# Altium PCB EVK-NORA-W40.PcbDoc (part 4 of 5) (continued)
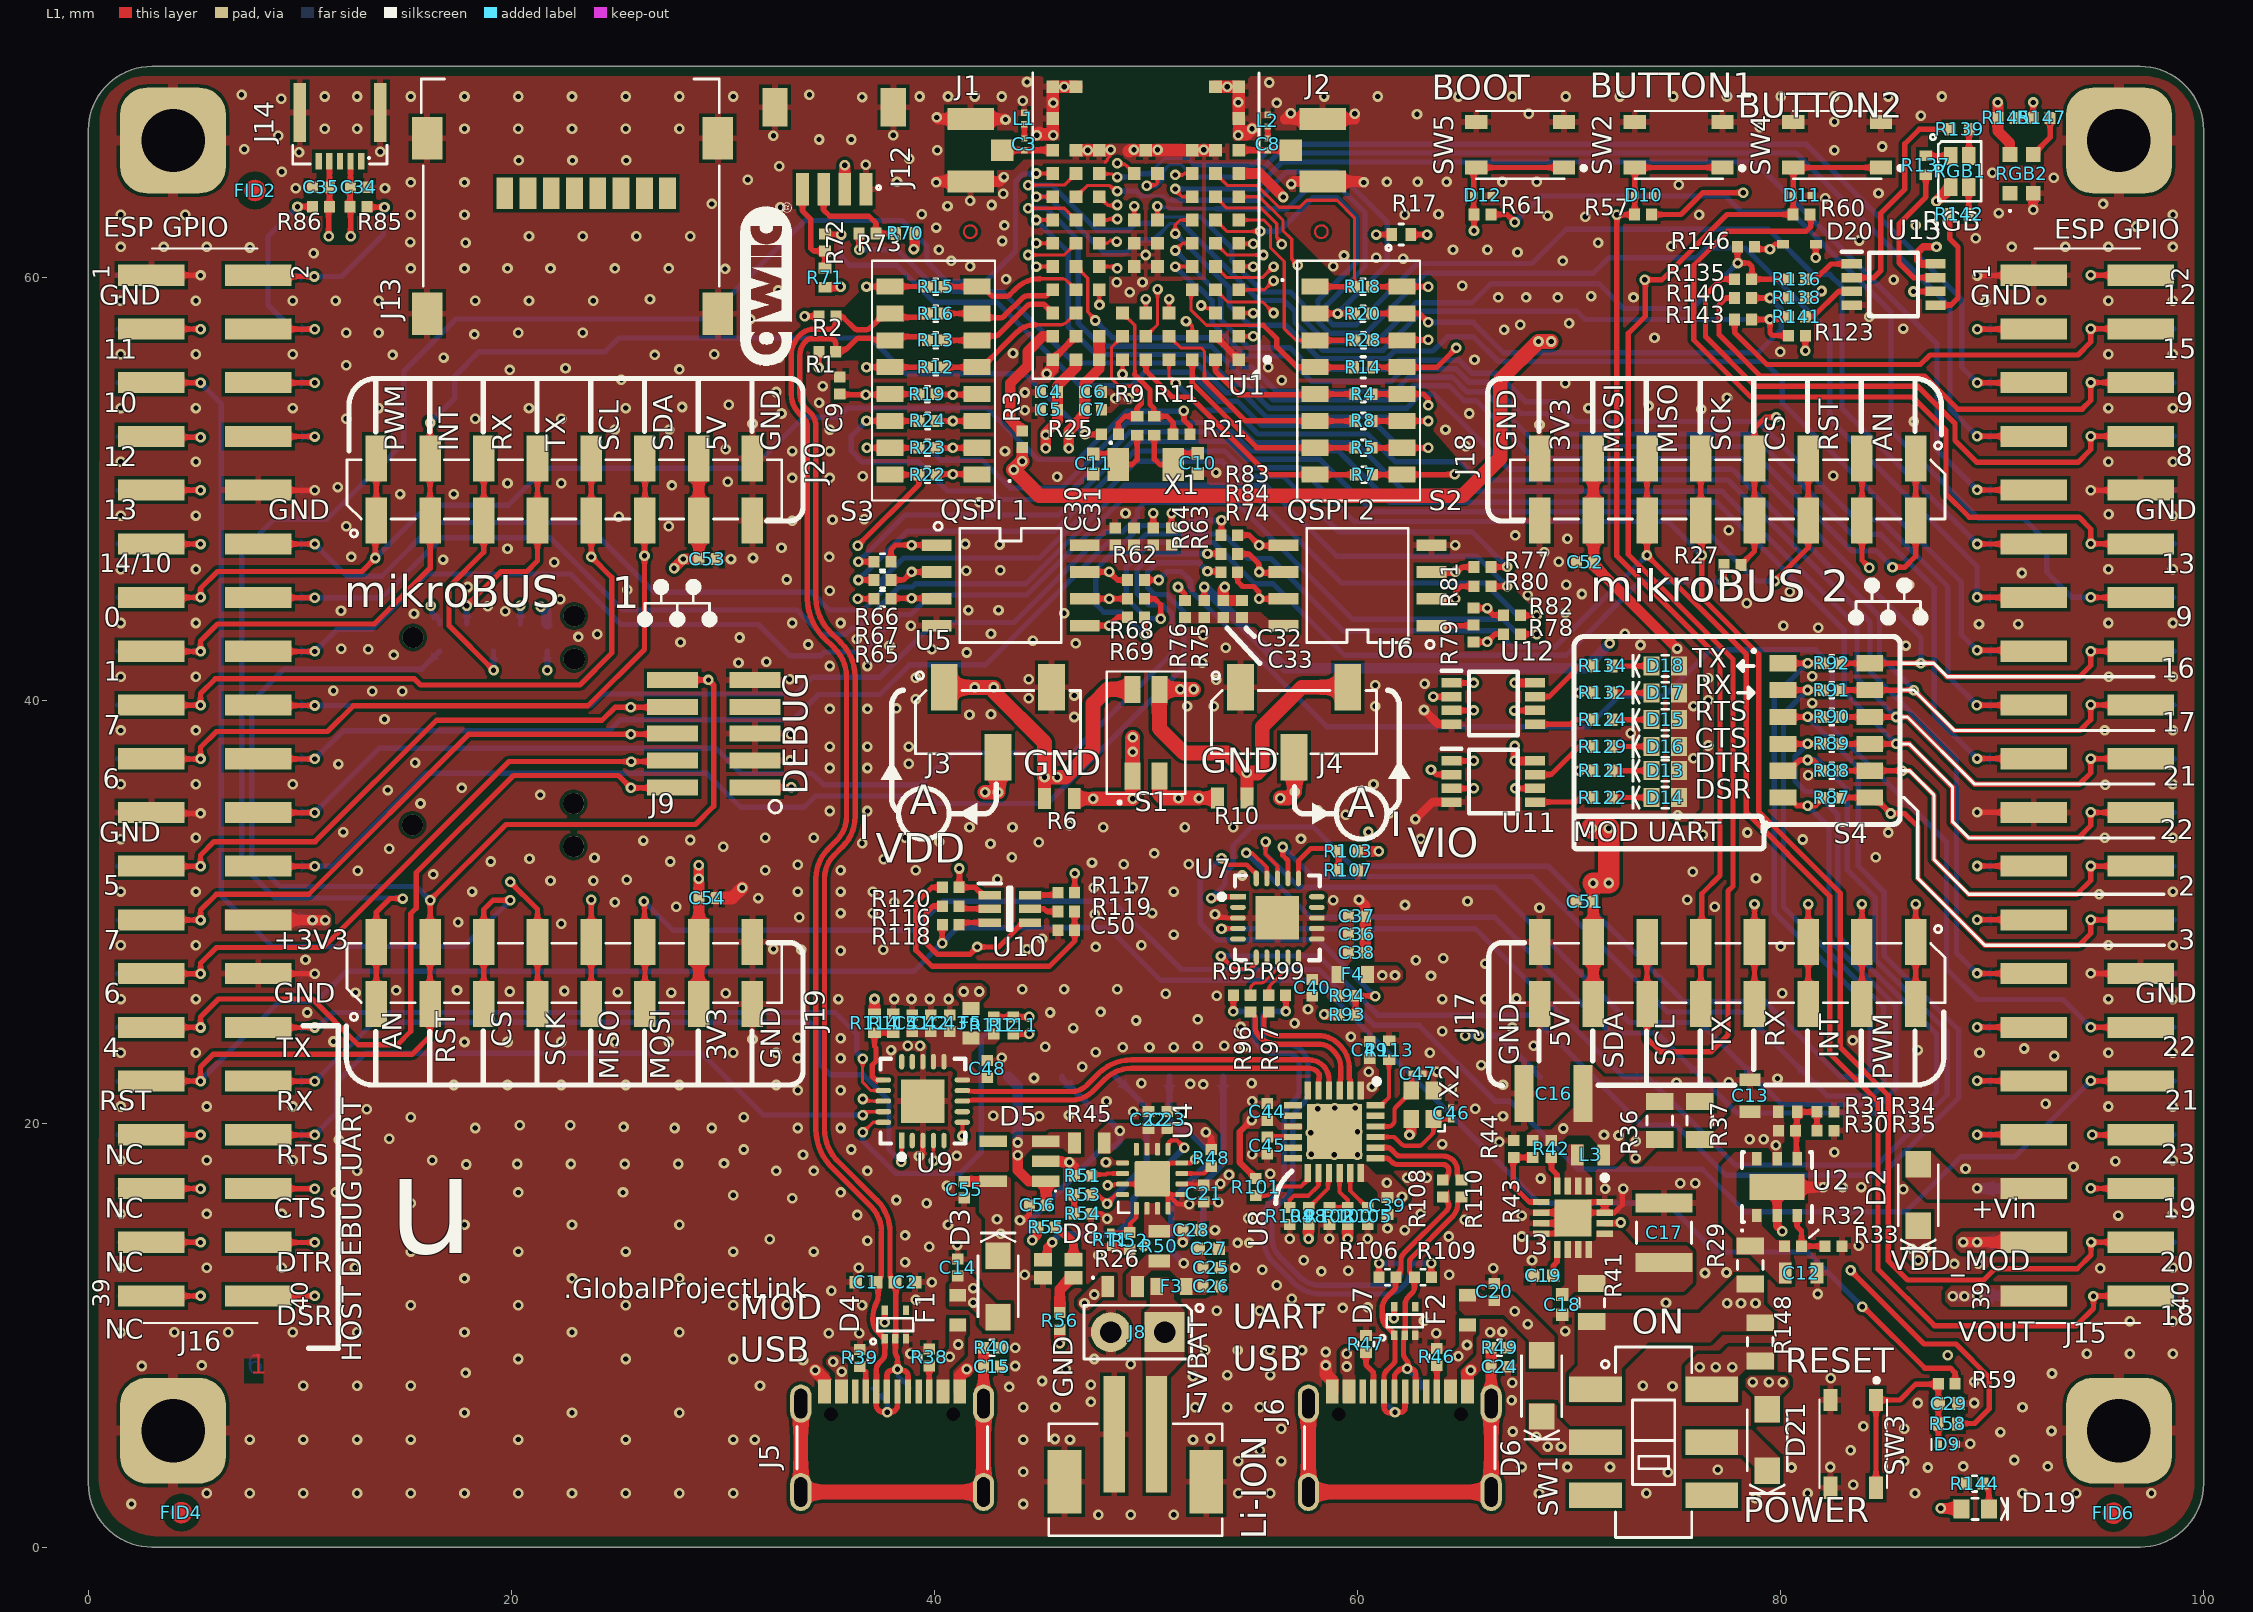
[diagram p0: L1 view]
## Nets (pads, with @x,y where several pads share a name; then routed paths per layer and width w, separated by ;. In a path a pad name is that pad's centre, name@x,y a point inside that pad or via, vN(x,y) a via of type N, cw(c..) or ccw(c..) an arc to the next point about the centre after c; other vN are vias at no path point) (continued)
  L6 w0.25: v1(89.292,24.578) 89.296,24.574 90.371,24.574 TP72.1@90.375,24.57
H8: R20.1 S2.2 U1.H8 | length 23.9
  L1 w0.15: U1.H8@46.69,63.84 47.215,64.365 48.289,64.365 48.544,64.11 v1(48.641,64.11)
  L1 w0.25: S2.2@57.998,58.323 58.003,58.318 R20.1@59.852,58.318
  L6 w0.15: 49.776,63.877 50.849,63.877 51.048,63.678 51.244,63.678
  L6 w0.25: v1(48.641,64.11) 49.544,64.11 49.776,63.877 ; 51.244,63.678 55.296,63.678 56.642,65.024 59.03,65.024 61.413,62.641 61.413,60.673 v1(59.058,58.318)
H8/IO9: J15.6 R140.2 TP50.1 | length 28.6
  L1 w0.25: R140.2@77.832,59.055 77.419,59.055 77.089,58.725 77.089,57.321 79.041,55.37 86.805,55.37 88.378,53.797 94.259,53.797 94.666,54.204 v1(94.666,55.058) 97.017,55.058 J15.6@97.025,55.05
  L6 w0.25: v1(94.666,55.058) 94.67,55.054 98.596,55.054 TP50.1@98.6,55.05
H8/IO9/LED_GREEN: R20.2 R138.2 R140.1 S2.15 | length 24.1
  L1 w0.25: R20.2@60.652,58.318 62.094,58.318 S2.15@62.098,58.323 62.927,58.323 v1(63.35,57.9) ; R140.1@78.632,59.055 78.71,58.977 78.787,59.055 v1(79.502,59.055) R138.2@80.372,59.055
  L6 w0.25: v1(63.35,57.9) 65.468,57.9 66.904,56.464 78.943,56.464 80.031,57.552 80.031,58.526 v1(79.502,59.055)
H9/IO15: J15.4 R143.2 TP47.1 | length 25.4
  L1 w0.25: R143.2@77.832,58.024 77.832,57.423 79.35,55.905 86.605,55.905 87.063,56.363 94.056,56.363 94.666,56.972 v1(94.666,57.598) ; v1@94.674,57.598 97.017,57.598 J15.4@97.025,57.59
  L6 w0.2: TP47.1@98.596,57.594 TP47.1@98.6,57.59
  L6 w0.25: v1(94.666,57.598) 94.67,57.594 TP47.1@98.596,57.594
H9/IO15/LED_BLUE: R123.2 R141.2 R143.1 U1.H9 | length 44.2
  L1 w0.15: v1(44.806,63.84) U1.H9@45.59,63.84
  L1 w0.25: R143.1@78.632,58.039 v1(79.502,58.039) ; R123.2@80.372,57.277 79.629,57.277 79.502,57.404 v1(79.502,58.039) ; R141.2@80.372,58.166 80.001,58.166 79.874,58.039 v1(79.502,58.039)
  L6 w0.15: 50.648,62.078 51.149,62.579 51.702,62.579 51.848,62.433
  L6 w0.25: v1(44.806,63.84) 45.36,63.84 48.007,61.193 49.047,61.193 49.665,61.811 50.381,61.811 50.648,62.078 ; 51.848,62.433 55.342,58.939 56.53,58.939 57.058,58.41 57.058,57.873 58.342,56.589 61.212,56.589 63.052,58.429 70.371,58.429 70.761,58.039 v1(79.502,58.039)
J2: R18.1 S2.1 U1.J2 | length 12.8
  L1 w0.15: U1.J2@53.29,64.94 53.865,64.365 55.269,64.365 56.286,63.348 57.277,63.348 57.607,63.678 59.03,63.678 59.852,62.856 R18.1@59.852,59.588
  L1 w0.25: S2.1@57.998,59.593 58.003,59.588 R18.1@59.852,59.588
J2/IO6/JT_TCK/SWD_CLK: J9.4 J11.4 J16.27 R18.2 S2.16 TP111.1 | length 104.3
  L1 w0.25: J16.27@2.983,27.102 v1(5.3,27.102) 5.3,27.601 6.045,28.346 11.1,28.346 19.889,37.136 v1(25.659,37.136) ; v1@25.683,37.136 27.569,37.136 J9.4@27.618,37.186 ; R18.2@60.652,59.588 62.094,59.588 S2.16@62.098,59.593 62.103,59.588 v1(63.35,59.588)
  L3 w0.15: v1(20.422,44.501) 20.422,41.903 25.189,37.136 v1(25.659,37.136)
  L4 w0.15: v1(25.659,37.136) 24.994,36.471 24.994,35.636 25.908,34.722 32.944,34.722 34.544,36.322 43.409,36.322 43.815,35.915 46.008,35.915 46.542,36.449 51.798,36.449 60.503,45.154 60.503,56.741 v1(63.35,59.588)
  L6 w0.25: TP111.1@1.375,27.11 1.379,27.106 5.296,27.106 v1(5.3,27.102) ; v1(20.422,44.501) 20.423,44.499 J11.4@20.424,43.637 J11.4@20.424,43.637
J3: R17.1 U1.J3 | length 12.9
  L1 w0.15: v1(51.384,64.872) 51.74,64.872 51.808,64.94 U1.J3@52.19,64.94
  L1 w0.25: v1(60.884,62.052) R17.1@61.62,62.052
  L3 w0.15: v1(51.384,64.872) 56.439,64.872 56.642,65.075 58.649,65.075 60.884,62.84 v1(60.884,62.052)
J3/RESETn: J9.10 J11.10 J16.31 J18.2 J19.2 R17.2 R59.1 R118.2 TP115.1 | length 278.3
  L1 w0.25: J16.31@2.975,22.03 v1@5.131,22.03 ; v1(5.3,22.022) 5.3,22.699 5.893,23.292 15.291,23.292 16.15,24.151 J19.2@16.15,25.675 J19.2@16.15,28.605 16.154,28.609 v1(16.154,30.582) 19.736,34.163 28.702,34.163 29.566,35.027 29.566,40.742 v1(29.312,40.996) J9.10@27.618,40.996 ; v1(40.363,28.55) 40.363,29.407 R118.2@40.37,29.413 ; R17.2@62.52,62.052 v1(63.29,62.052) ; J18.2@83.85,51.465 83.85,46.655 v1(84.201,46.304) ; v1(83.871,11.354) 83.922,11.354 86.817,8.458 88.036,8.458 88.259,8.236 R59.1@88.259,7.722
  L4 w0.15: v1(40.363,28.55) 40.363,31.945 43.071,34.653 54.389,34.653 57.412,37.676 57.412,40.013 61.352,43.953 61.352,54.105 64.03,56.782 64.03,59.586 63.29,60.327 v1(63.29,62.052) ; v1(83.871,11.354) 84.607,12.09 84.607,14.326 86.03,15.748 94.59,15.748 95.336,16.494 95.336,17.424 90.002,22.758 89.281,22.758 87.408,24.632 87.408,45.536 85.954,46.99 84.887,46.99 v1(84.201,46.304)
  L6 w0.25: TP115.1@1.4,22.03 1.404,22.026 5.296,22.026 v1(5.3,22.022) 5.3,22.064 9.042,25.806 10.795,25.806 12.217,27.229 39.043,27.229 v1(40.363,28.55) 41.096,29.282 48.202,29.282 50.687,26.797 58.039,26.797 68.58,16.256 74.625,16.256 76.938,13.943 81.281,13.943 v1(83.871,11.354) ; v1(16.154,30.582) 15.511,31.225 9.059,31.225 7.725,32.559 7.725,39.983 9.246,41.504 15.751,41.504 J11.10@16.614,42.367
J4/RMII_TXD1: J15.7 TP51.1 U1.J4 | length 53.8
  L1 w0.15: v1(50.038,64.364) 50.071,64.397 50.452,64.397 50.54,64.485 U1.J4@50.54,64.94
  L1 w0.25: v1(89.292,52.518) 91.967,52.518 J15.7@91.975,52.51
  L6 w0.15: 50.781,65.03 51.11,65.359 51.659,65.359 52.243,64.775
  L6 w0.25: v1(50.038,64.364) 50.47,64.364 50.781,64.674 50.781,65.03 ; 52.243,64.775 55.123,64.775 56.261,65.913 80.733,65.913 88.011,58.635 88.011,53.799 89.296,52.514 90.396,52.514 TP51.1@90.4,52.51
J5/RMII_TXD0: J15.3 TP46.1 U1.J5 | length 50.5
  L1 w0.15: v1(48.641,65.43) 48.694,65.377 49.003,65.377 U1.J5@49.44,64.94
  L1 w0.25: v1(89.306,57.582) J15.3@91.963,57.582
  L4 w0.15: v1(48.641,65.43) 54.13,65.43 55.908,67.208 77.699,67.208 81.839,63.068 84.506,63.068 89.306,58.268 v1(89.306,57.582)
  L6 w0.25: v1(89.306,57.582) 89.315,57.59 TP46.1@90.4,57.59
J7/RMII_CRS: J15.5 TP49.1 U1.J7 | length 52.8
  L1 w0.15: U1.J7@47.79,64.94 47.808,64.922 48.392,64.922 48.544,64.77 v1(48.641,64.77)
  L1 w0.25: v1(89.306,55.042) J15.5@91.968,55.042
  L6 w0.15: 50.143,64.922 50.879,65.659 51.943,65.659 52.252,65.35
  L6 w0.25: v1(48.641,64.77) 49.225,64.77 49.378,64.922 50.143,64.922 ; 52.252,65.35 55.114,65.35 56.083,66.319 81.229,66.319 88.57,58.979 88.57,55.778 v1(89.306,55.042) 89.31,55.046 90.396,55.046 TP49.1@90.4,55.05
J8/IO8: J15.8 R135.2 TP52.1 | length 32
  L1 w0.25: R135.2@77.832,59.944 77.197,59.944 76.454,59.201 76.454,57.226 78.805,54.875 86.5,54.875 88.25,53.125 88.25,52.314 89.281,51.283 94.056,51.283 94.666,51.892 v1(94.666,52.518) ; v1@94.742,52.561 94.785,52.518 97.017,52.518 J15.8@97.025,52.51
  L6 w0.15: TP52.1@98.621,52.514 TP52.1@98.625,52.51
  L6 w0.25: v1(94.666,52.518) 94.67,52.514 TP52.1@98.621,52.514
J8/IO8/LED_RED: R135.1 R136.2 R146.2 U1.J8 | length 46.6
  L1 w0.15: v1(44.425,64.389) 46.139,64.389 U1.J8@46.69,64.94
  L1 w0.25: R146.2@77.959,61.468 77.969,61.459 77.969,60.715 v1(77.978,60.706) 78.486,60.706 78.652,60.54 R135.1@78.652,60.051 ; R135.1@78.632,59.944 R136.2@80.372,59.944
  L6 w0.15: 50.317,62.586 50.611,62.879 52.589,62.879
  L6 w0.25: v1(44.425,64.389) 45.542,64.389 47.671,62.26 49.204,62.26 49.53,62.586 50.317,62.586 ; 52.589,62.879 54.056,61.412 54.056,60.806 55.523,59.339 56.841,59.339 57.458,58.721 57.458,58.038 58.507,56.989 60.926,56.989 62.766,58.829 65.408,58.829 66.303,59.725 71.416,59.725 72.585,58.555 75.827,58.555 v1(77.978,60.706)
J9/IO3/WAKE_UP: J15.26 J19.1 R87.2 S4.7 TP70.1 U1.J9 | length 180.6
  L1 w0.15: v1@44.813,64.94 U1.J9@45.59,64.94
  L1 w0.25: J19.1@13.61,25.675 J19.1@13.61,28.605 13.61,30.018 14.249,30.658 v1(14.862,30.658) ; R87.2@82.823,35.433 S4.7@84.219,35.433 84.455,35.433 v1(85.209,34.679) 85.869,34.679 86.487,34.061 86.487,31.623 89.662,28.448 94.107,28.448 94.666,29.007 v1(94.666,29.658) 94.674,29.65 J15.26@97.025,29.65
  L4 w0.15: v1(14.862,30.658) 18.646,26.873 51.587,26.873 53.162,28.448 65.462,28.448 69.552,32.537 78.664,32.537 79.422,31.779 82.308,31.779 v1(85.209,34.679)
  L6 w0.25: v1(14.862,30.658) 14.836,30.683 8.817,30.683 7.25,32.25 7.25,47.077 8.763,48.59 11.272,48.59 14.91,52.228 14.91,55.601 17.374,58.064 29.235,58.064 33.884,62.713 38.456,62.713 39.649,61.519 39.649,60.782 40.615,59.817 42.393,59.817 43.832,61.256 43.832,64.558 44.192,64.918 44.784,64.918 v1(44.806,64.94) ; v1(94.666,29.658) 94.67,29.654 98.621,29.654 TP70.1@98.625,29.65
LED_BLUE: R141.1 U13.3 | length 2.7
  L1 w0.25: R141.1@81.172,58.166 81.534,58.166 82.733,59.365 U13.3@83.369,59.365
LED_GREEN: R138.1 U13.6 | length 6.3
  L1 w0.25: R138.1@81.172,59.055 81.636,59.055 81.94,59.36 v1(81.94,59.385) ; v1(86.284,59.36) 87.314,59.36 U13.6@87.319,59.365
  L4 w0.15: v1(81.94,59.385) 86.258,59.385 v1(86.284,59.36)
LED_RED: R136.1 U13.1 | length 2.5
  L1 w0.25: R136.1@81.172,59.944 81.661,59.944 82.382,60.665 U13.1@83.369,60.665
NetC3_1: C3.1 J1.1 U1.K9 | length 2.4
  L1 w0.3: J1.1@43.208,66.04 43.213,66.044 45.586,66.044 U1.K9@45.59,66.04
NetC3_2: C3.2 L1.1 | length 0.7
  L1 w0.15: L1.1@44.247,67.264 L1.1@44.248,67.262 ; C3.2@44.248,66.596 C3.2@44.25,66.594
  L1 w0.25: C3.2@44.248,66.596 L1.1@44.248,67.262
NetC8_1: C8.1 J2.1 U1.K1 | length 2.5
  L1 w0.3: U1.K1@54.39,66.04 54.394,66.044 56.842,66.044 J2.1@56.847,66.04
NetC8_2: C8.2 L2.1 | length 0.6
  L1 w0.25: C8.2@55.756,66.594 L2.1@55.756,67.162
NetC10_1: C10.1 R11.2 X1.2 | length 3.6
  L1 w0.25: R11.2@50.394,52.56 50.394,51.435 50.648,51.181 X1.2@51.285,51.181 51.285,51.362 51.631,51.707 C10.1@52.454,51.707
NetC11_1: C11.1 R9.2 X1.1 | length 3.7
  L1 w0.25: C11.1@47.501,51.681 48.395,51.681 48.685,51.391 X1.1@48.685,51.181 49.352,51.181 49.581,51.41 R9.2@49.581,52.56
NetC12_1: C12.1 R29.2 R32.2 U2.1 U2.6
NetC17_1: C17.1 C18.1 R41.2 U3.10 U3.11 U3.12 U3.13
NetC19_2: C19.2 U3.9 | length 1.3
  L1 w0.25: C19.2@69.261,12.827 69.261,13.305 69.438,13.482 U3.9@69.438,14.059
NetC28_1: C28.1 R50.1 TP7.1 U4.2 U4.3 | length 9.2
  L1 w0.2: C28.1@51.744,14.991 C28.1@51.749,14.986
  L1 w0.5: v1(51.74,14.402) 51.744,14.406 C28.1@51.744,14.991
  L6 w0.3: v1(51.74,14.402) 52.705,15.367 52.705,17.17 53.649,18.114 TP7.1@53.649,22.231
NetC30_2: C30.2 C31.2 R63.2 R64.2 U5.8
NetC32_2: C32.2 C33.2 R75.2 R76.2 U6.8
NetC36_1: C36.1 C37.1 C38.1 C40.1 F4.2 R94.1 U7.10 U7.11 U7.12
NetC41_1: C41.1 C42.1 C43.1 C48.1 F5.2 R112.1 U9.10 U9.11 U9.12
NetC45_1: C45.1 U8.10 | length 1.2
  L1 w0.25: C45.1@55.743,19.379 56.947,19.379 U8.10@56.953,19.384
NetC46_1: C46.1 U8.21 X2.1 | length 4.6
  L1 w0.2: U8.21@60.853,19.384 61.661,19.384 cw(c61.661,19.184) 61.802,19.326 62.07,19.058 ccw(c62.21,19.2) 62.1,19.034 cw(c61.677,18.384) 62.132,19.011 ccw(c62.249,19.174) 62.247,18.974 62.908,18.974 ccw(c62.908,19.174) 63.049,19.032 63.538,19.521 ccw(c63.396,19.662) 63.596,19.662 X2.1@63.596,20.226 ; X2.1@63.593,20.229 63.6,20.223 C46.1@64.44,20.223
NetC47_1: C47.1 U8.22 X2.3 | length 3.6
  L1 w0.2: U8.22@60.853,19.884 61.483,19.884 ccw(c61.483,20.084) 61.624,19.943 61.689,20.008 ccw(c61.547,20.149) 61.747,20.149 61.747,20.651 cw(c61.947,20.651) 61.806,20.792 62.565,21.551 C47.1@62.565,22.377
NetC50_1: C50.1 R119.2 R120.1 | length 13.5
  L1 w0.25: R120.1@40.37,31.191 39.885,31.191 39.116,30.422 39.116,28.219 39.878,27.457 45.429,27.457 46.631,28.659 C50.1@46.631,29.159 R119.2@46.631,30.048
NetD4_5: D4.5 F1.1 J5.A4B9 J5.B4A9 | length 0.6
  L1 w0.25: v1(37.643,10.617) 37.647,10.621 37.647,11.187 D4.5@37.651,11.191
  other v1: 35.616,8.295 35.204,8.763 40.716,8.992 41.123,9.576
NetD7_5: D7.5 F2.1 J6.A4B9 J6.B4A9 | length 0.6
  L1 w0.25: v1(61.722,10.82) 61.726,10.824 61.726,11.364 D7.5@61.73,11.368
  other v1: 59.487,8.534 64.77,9.017 59.487,9.144 65.176,9.55
NetD8_1: D8.1 R56.1 | length 2
  L1 w0.5: R56.1@45.923,11.093 45.923,12.183 46.472,12.732 D8.1@46.572,12.732
NetD8_2: D8.2 R55.1 | length 2
  L1 w0.4: R55.1@45.688,15.113 45.748,15.058 cw(c45.593,14.478) 45.982,14.935 46.431,14.552 cw(c46.172,14.248) 46.454,14.531 46.572,14.413 D8.2@46.572,13.582
NetD13_1: D13.1 R121.2 | length 1.7
  L1 w0.25: R121.2@72.05,36.703 D13.1@73.722,36.703
NetD14_1: D14.1 R122.2 | length 1.7
  L1 w0.25: R122.2@72.05,35.433 D14.1@73.722,35.433
NetD15_1: D15.1 R124.2 | length 1.7
  L1 w0.25: R124.2@72.05,39.116 D15.1@73.722,39.116
NetD16_1: D16.1 R129.2 | length 1.7
  L1 w0.25: R129.2@72.05,37.846 D16.1@73.722,37.846
NetD17_1: D17.1 R132.2 | length 1.9
  L1 w0.25: R132.2@72.05,40.386 D17.1@73.9,40.386
NetD18_1: D18.1 R134.2 | length 1.9
  L1 w0.25: R134.2@72.05,41.656 D18.1@73.9,41.656
NetD19_1: D19.1 R144.2 | length 1.3
  L1 w0.25: R144.2@89.629,3 89.855,2.775 D19.1@89.855,1.803
NetD20_2: D20.2 R145.1 R147.2 | length 30.6
  L1 w0.25: v1(81.661,60.96) 81.667,60.966 81.667,61.589 D20.2@81.674,61.595 ; R145.1@91.078,67.564 R147.2@91.948,67.564 v1(91.948,68.301)
  L4 w0.15: v1(81.661,60.96) 81.382,60.681 81.382,58.953 83.947,56.388 91.897,56.388 95.275,59.766 95.275,61.011 91.948,64.338 v1(91.948,68.301)
NetD21_C: D21.C SW1.5
NetF3_2: F3.2 J7.2 J8.1
NetJ5_A5: J5.A5 R39.2 | length 1.3
  L1 w0.25: R39.2@36.474,8.541 36.489,8.541 36.75,8.28 J5.A5@36.75,7.355
NetJ5_B5: J5.B5 R38.2 | length 1.2
  L1 w0.25: J5.B5@39.751,7.355 R38.2@39.751,8.566
NetJ6_A5: J6.A5 R47.2 | length 2
  L1 w0.25: R47.2@60.401,9.195 60.401,8.607 60.75,8.258 J6.A5@60.75,7.355
NetJ6_B5: J6.B5 R46.2 | length 1.2
  L1 w0.25: J6.B5@63.75,7.355 63.752,7.357 63.752,8.59 R46.2@63.754,8.592
NetJ12_3: J12.3 R70.1 R73.1 | length 5.1
  L1 w0.25: J12.3@34.758,64.197 34.758,63.21 35.052,62.916 36.906,62.916 37.23,62.592 R73.1@37.23,62.103 R70.1@38.158,62.103
NetJ12_4: J12.4 R71.1 R72.1 | length 4.5
  L1 w0.25: J12.4@33.758,64.197 33.758,63.168 34.144,62.782 34.144,61.411 34.284,61.271 R72.1@34.823,61.271 R71.1@34.823,60.47
NetJ16_8: J16.8 TP92.1 | length 3.8
  L1 w0.25: J16.8@8.025,52.51 8.033,52.502 v1(10.7,52.502)
  L6 w0.25: TP92.1@9.625,52.51 9.629,52.506 10.696,52.506 v1(10.7,52.502)
NetJ16_33: J16.33 TP117.1 | length 6.1
  L1 w0.25: J16.33@2.975,19.49 v1@5.123,19.49
  L6 w0.25: TP117.1@1.4,19.49 1.404,19.486 5.296,19.486 v1(5.3,19.482)
NetJ16_35: J16.35 TP119.1 | length 6.1
  L1 w0.25: J16.35@2.975,16.95 v1@5.123,16.95
  L6 w0.15: TP119.1@1.4,16.95 1.404,16.946 5.296,16.946 v1(5.3,16.942)
NetJ16_37: J16.37 TP121.1 | length 6
  L1 w0.25: J16.37@2.975,14.41 v1@5.123,14.41
  L6 w0.15: TP121.1@1.404,14.406 5.296,14.406 v1(5.3,14.402)
NetJ16_39: J16.39 TP123.1 | length 6.2
  L1 w0.25: J16.39@2.975,11.87 v1(5.3,11.87)
  L6 w0.15: TP123.1@1.4,11.87 v1(5.3,11.87)
NetJ18_4: J18.4 R27.1 R123.1 | length 12.4
  L1 w0.25: R27.1@78.124,46.431 78.124,46.446 78.259,46.581 78.274,46.581 78.77,47.077 J18.4@78.77,48.535 J18.4@78.77,51.465 78.77,51.819 78.77,52.895 79.291,53.416 v1(79.807,53.416) ; R123.1@81.172,57.277 81.172,56.572 v1(81.178,56.566)
  L4 w0.15: v1(79.807,53.416) 81.178,54.788 v1(81.178,56.566)
NetR3_2: R3.2 U1.B9 | length 5.8
  L1 w0.5: R3.2@44.145,52.775 44.13,52.775 43.586,53.319 43.586,55.016 44.399,55.829 44.399,56.515 45.124,57.24 U1.B9@45.59,57.24
NetR30_1: R30.1 R31.1 R34.2 R35.2 U2.4 | length 4.1
  L1 w0.25: U2.4@80.785,18.358 80.75,18.393 80.75,19.612 80.696,19.666 80.772,19.742 80.772,20.553 R31.1@80.793,20.574 R34.2@81.721,20.574 R35.2@81.721,19.685
NetR32_1: R32.1 R33.2 U2.3 | length 2.6
  L1 w0.25: U2.3@80.785,15.678 80.785,15.161 80.997,14.949 R32.1@80.997,14.224 R33.2@82.102,14.224
NetR42_1: R42.1 U3.4 | length 1.5
  L1 w0.25: R42.1@69.167,18.421 69.167,17.879 69.438,17.608 U3.4@69.438,17.059
NetR43_1: R43.1 R44.2 U3.5 | length 3.9
  L1 w0.25: R43.1@68.278,18.421 R44.2@67.389,18.421 67.361,18.393 67.361,17.069 68.121,16.309 U3.5@68.688,16.309
NetR48_1: R48.1 U4.7 | length 1.5
  L1 w0.2: U4.7@51.693,17.66 52.742,17.66 53.071,17.99 R48.1@53.086,17.99
NetR51_2: R51.2 U4.14 | length 1.5
  L1 w0.2: R51.2@47.415,17.551 47.477,17.613 48.106,17.613 48.153,17.66 U4.14@48.893,17.66
NetR52_2: R52.2 RT1.1 U4.1 | length 2.2
  L1 w0.2: RT1.1@48.339,14.824 48.339,14.826 48.364,14.851 49.201,14.851 R52.2@49.228,14.878 49.255,14.905 49.255,15.295 49.543,15.583 U4.1@49.543,16.01
NetR53_1: R53.1 R54.2 | length 0.9
  L1 w0.25: R54.2@46.606,15.754 R53.1@46.605,16.658
NetR53_2: R53.2 TP9.1 U4.16 | length 9.2
  L1 w0.2: R53.2@47.405,16.658 47.408,16.66 47.729,16.66 v1(48.158,16.231) 48.589,16.661 U4.16@48.89,16.661
  L6 w0.3: v1(48.158,16.231) 50.038,18.11 50.038,20.762 TP9.1@48.569,22.231
NetR93_2: R93.2 R94.2 U7.20 | length 17.2
  L1 w0.2: v1(53.571,32.563) 53.876,32.258 54.762,32.258 55.213,31.807 U7.20@55.213,31.609
  L1 w0.25: R93.2@59.915,25.171 R94.2@59.915,26.06 60.808,26.06 v1(60.833,26.035)
  L6 w0.25: v1(53.571,32.563) 52.56,31.551 52.56,29.496 53.349,28.706 58.162,28.706 v1(60.833,26.035)
NetR95_2: R95.2 R96.2 U7.8 | length 2.5
  L1 w0.15: R96.2@54.939,26.092 54.939,26.395 cw(c55.17,26.395) 55.006,26.558 55.062,26.614 ; 55.063,26.615 cw(c55.197,26.48) 55.197,26.67 55.424,26.67 ccw(c55.424,26.974) 55.638,26.759 ; 55.639,26.759 56.138,27.258 ccw(c55.957,27.439) 56.213,27.439 U7.8@56.213,27.878
NetR97_2: R97.2 R99.2 U7.9 | length 2.1
  L1 w0.15: R97.2@55.803,26.092 55.803,26.328 cw(c56.197,26.328) 55.918,26.606 ; 55.918,26.607 56.629,27.318 ccw(c56.427,27.52) 56.713,27.52 U7.9@56.713,27.878
NetR98_1: R98.1 U8.15 | length 2
  L1 w0.2: R98.1@57.686,16.046 57.701,16.046 58.609,16.954 58.609,17.641 U8.15@58.653,17.684
NetR100_1: R100.1 R102.2 U8.16 | length 2.7
  L1 w0.2: R102.2@58.707,16.079 R102.2@58.674,16.046 R100.1@59.538,16.046 59.538,16.408 59.153,16.793 U8.16@59.153,17.684
NetR101_1: R101.1 U8.13 | length 3.1
  L1 w0.2: R101.1@55.197,16.618 55.759,16.618 56.185,17.043 57.328,17.043 57.653,17.368 U8.13@57.653,17.684
NetR103_1: R103.1 R107.1 U7.16 | length 3.9
  L1 w0.25: U7.16@57.213,31.609 57.213,32.448 57.787,33.022 58.488,33.022 58.988,33.022 59.113,32.897 R107.1@59.113,32.004
NetR104_1: R104.1 U8.14 | length 2.6
  L1 w0.2: R104.1@56.797,16.046 56.797,16.411 56.998,16.612 57.683,16.612 58.153,17.081 U8.14@58.153,17.684
NetR105_2: R105.2 U8.17 | length 2
  L1 w0.2: U8.17@59.653,17.684 59.653,16.856 60.462,16.046 R105.2@60.477,16.046
NetR108_1: R108.1 U8.19 | length 4.3
  L1 w0.25: U8.19@60.853,18.384 61.338,18.384 cw(c61.338,18.134) 61.514,18.311 61.621,18.204 ccw(c61.906,18.485) 61.908,18.085 64.04,18.085 cw(c64.04,17.807) 64.318,17.807 64.318,17.747 cw(c64.053,17.747) 64.24,17.561 R108.1@64.027,17.347
NetR110_1: R110.1 U8.20 | length 4.9
  L1 w0.25: U8.20@60.853,18.884 61.403,18.884 cw(c61.403,18.634) 61.58,18.811 61.831,18.56 cw(c61.655,18.383) 61.833,18.558 ; 61.833,18.558 ccw(c62.01,18.735) 62.01,18.485 64.04,18.485 cw(c64.04,17.807) 64.647,18.107 cw(c64.04,17.807) 64.718,17.807 64.718,17.747 cw(c64.053,17.747) 64.714,17.68 ccw(c64.963,17.654) R110.1@64.735,17.551 ; R110.1@64.735,17.551 64.766,17.482 R110.1@64.916,17.347
NetR111_2: R111.2 R112.2 U9.20 | length 18
  L1 w0.15: v1@36.63,19.609 37.103,20.082 U9.20@37.584,20.082
  L1 w0.25: R112.2@42.802,25.063 R111.2@43.716,25.063 43.719,25.067 44.472,25.067 v1(44.475,25.07)
  L6 w0.25: v1(36.604,19.609) 36.604,19.223 38.17,17.658 41.204,17.658 42.215,18.669 42.215,24.054 43.231,25.07 v1(44.475,25.07)
NetR113_2: R113.2 U8.24 | length 2.6
  L1 w0.2: U8.24@60.853,20.884 61.118,20.884 61.493,21.26 61.493,23.042 R113.2@61.496,23.045
NetR114_1: R114.1 R115.1 U9.16 | length 3.7
  L1 w0.24: U9.16@37.584,22.082 37.227,22.082 37.059,22.25 37.059,22.795 37.236,22.973 37.236,23.597 37.163,23.67 R114.1@37.163,24.315 R115.1@38.052,24.315
NetR116_2: R116.2 U10.2 | length 1.5
  L1 w0.25: R116.2@41.17,30.302 41.297,30.175 U10.2@42.614,30.175
NetR117_2: R117.2 U10.6 | length 1.4
  L1 w0.25: U10.6@44.514,30.825 45.719,30.825 R117.2@45.831,30.937
NetR118_1: R118.1 U10.3 | length 1.5
  L1 w0.25: R118.1@41.17,29.413 41.282,29.525 U10.3@42.614,29.525
NetR119_1: R119.1 U10.5 | length 1.4
  L1 w0.25: U10.5@44.514,30.175 45.179,30.175 45.264,30.09 45.306,30.048 R119.1@45.831,30.048
NetR137_2: R137.2 RGB1.1 | length 1.2
  L1 w0.25: R137.2@86.871,65.779 88.035,65.779 RGB1.1@88.053,65.761
NetR139_2: R139.2 RGB1.2 | length 1.3
  L1 w0.25: RGB1.2@88.903,65.761 88.912,65.77 88.912,67.021 R139.2@88.921,67.031
NetR142_2: R142.2 RGB1.3 | length 1.3
  L1 w0.25: R142.2@88.896,63.017 88.899,63.021 88.899,64.307 RGB1.3@88.903,64.311
NetR147_1: R147.1 RGB2.3 | length 2.1
  L1 w0.25: RGB2.3@91.948,65.838 92.748,66.638 R147.1@92.748,67.564
RED: R137.1 U13.7 | length 6.7
  L1 w0.25: R137.1@86.871,64.879 86.871,63.833 85.598,62.56 85.598,60.706 86.289,60.015 U13.7@87.319,60.015
RESETn-F: C29.1 D9.1 R58.1 R59.2 SW3.1 SW3.2 | length 10.3
  L1 w0.25: SW3.2@84.514,2.802 SW3.1@84.514,6.952 85.647,6.952 86.391,7.696 87.433,7.696 R59.2@87.459,7.722 C29.1@87.459,6.775 ; C29.1@87.459,6.774 R58.1@87.459,5.817 87.464,5.812 D9.1@87.464,4.851
RGB2: D20.1 J16.6 R146.1 TP90.1 | length 100.3
  L1 w0.25: J16.6@8.025,55.05 8.033,55.042 v1(10.7,55.042) ; R146.1@78.759,61.468 78.869,61.358 v1(79.502,61.358) 79.739,61.595 D20.1@80.124,61.595
  L4 w0.15: v1(10.7,55.042) 10.09,55.651 7.087,55.651 5.715,57.023 4.42,57.023 4.064,57.379 4.064,59.131 4.445,59.512 7.518,59.512 11.049,63.043 12.725,63.043 13.411,62.357 18.161,62.357 18.567,62.763 38.558,62.763 39.733,61.588 39.733,60.825 41.326,59.233 46.177,59.233 47.879,60.935 49.149,60.935 49.472,60.612 50.589,60.612 51.181,60.02 51.689,60.02 52.375,60.706 52.375,61.978 56.346,65.949 71.82,65.949 76.412,61.358 v1(79.502,61.358)
  L6 w0.25: TP90.1@9.6,55.05 9.604,55.046 10.696,55.046 v1(10.7,55.042)
RTS: R124.1 U12.5 | length 2.8
  L1 w0.25: U12.5@68.396,38.903 70.094,38.903 70.307,39.116 R124.1@71.15,39.116
RXD: R132.1 U12.2 | length 8.5
  L1 w0.25: v1(63.576,40.208) 63.581,40.203 U12.2@64.446,40.203 ; v1(70.485,40.386) R132.1@71.15,40.386
  L4 w0.15: v1(63.576,40.208) 68.097,40.208 68.275,40.386 v1(70.485,40.386)
SHLDC: C24.2 J6.SHLD R49.1 | length 19.6
  L1 w0.5: R49.1@66.316,9.415 C24.2@66.316,8.526 66.318,8.525 J6.SHLD@66.318,6.782
  L1 w0.7: J6.SHLD@57.68,6.78 J6.SHLD@57.68,2.6 J6.SHLD@66.32,2.6 J6.SHLD@66.32,6.78 J6.SHLD@66.318,6.782
SHLDM: C15.2 J5.SHLD R40.1 | length 19.6
  L1 w0.5: J5.SHLD@42.323,6.783 C15.2@42.323,8.532 ; C15.2@42.326,8.534 R40.1@42.326,9.423
  L1 w0.7: J5.SHLD@33.68,6.78 J5.SHLD@33.68,2.6 J5.SHLD@42.32,2.6 J5.SHLD@42.32,6.78 J5.SHLD@42.323,6.783
SPI2_CS: R79.1 R81.1 U6.1 | length 1.7
  L1 w0.25: U6.1@63.819,43.561 65.452,43.561 R79.1@65.484,43.593
TXD: R134.1 U12.7 | length 3.4
  L1 w0.25: U12.7@68.396,40.203 69.057,40.203 70.51,41.656 R134.1@71.15,41.656
UART0-CTS: R89.1 R116.1 S4.4 TP29.1 U7.19 U10.4 U11.1 | length 102.1
  L1 w0.2: v1(54.74,32.817) 55.016,32.817 55.713,32.12 U7.19@55.713,31.609
  L1 w0.25: R116.1@40.37,30.302 39.925,30.302 39.599,29.976 39.599,28.566 40.144,28.021 41.67,28.021 v1(42.021,28.372) 43.035,28.372 44.189,29.525 U10.4@44.514,29.525 ; U11.1@64.446,37.17 v1(65.491,37.17) ; S4.4@80.119,37.973 R89.1@82.023,37.973
  L4 w0.15: v1(42.021,28.372) 44.282,30.632 49.692,30.632 50.81,31.75 53.673,31.75 v1(54.74,32.817) ; v1(65.491,37.17) 66.266,36.395 67.748,36.395 67.915,36.228 72.042,36.228 72.542,36.728 80.027,36.728 v1(81.28,37.981)
  L6 w0.25: v1(54.74,32.817) 57.788,29.769 66.497,29.769 71.966,24.3 74.161,24.3 TP29.1@76.23,22.231 77.936,20.525 86.387,20.525 87.376,21.514 87.376,24.249 82.7,28.925 82.7,34.625 81.6,35.725 81.175,35.725 80.7,36.2 80.7,37.401 v1(81.28,37.981)
UART0-DSR: R87.1 R120.2 S4.6 TP27.1 U7.18 U10.1 U11.3 | length 90.1
  L1 w0.2: v1(55.654,33.35) 55.654,32.763 56.213,32.204 U7.18@56.213,31.609
  L1 w0.25: v1(41.176,32.08) 41.176,31.198 R120.2@41.17,31.191 41.923,31.191 42.289,30.825 U10.1@42.614,30.825 ; U11.3@64.446,35.87 v1(65.491,35.87) ; S4.6@80.119,35.433 80.391,35.433 80.772,35.052 v1(81.28,35.052) 81.642,35.052 R87.1@82.023,35.433
  L4 w0.15: v1(41.176,32.08) 45.06,32.08 46.33,33.35 v1(55.654,33.35) ; v1(65.491,35.87) 66.03,35.331 72.365,35.331 72.903,35.87 80.462,35.87 v1(81.28,35.052)
  L6 w0.25: v1@55.804,33.35 v1(55.654,33.35) 55.654,32.763 57.226,31.191 66.472,31.191 72.863,24.8 76.201,24.8 TP27.1@78.77,22.231 80.076,20.925 84.7,20.925 85.446,21.671 85.446,25.579 82.296,28.729 82.296,34.036 v1(81.28,35.052)
UART0-DTR: R88.1 S4.5 TP30.1 U7.4 U11.6 | length 77.6
  L1 w0.2: v1@53.577,29.243 U7.4@54.348,29.243
  L1 w0.25: v1(67.462,35.865) 67.468,35.87 U11.6@68.396,35.87 ; S4.5@80.119,36.703 80.391,36.703 80.899,37.211 v1(81.28,37.211) 81.53,37.211 82.023,36.718 R88.1@82.023,36.703
  L4 w0.15: v1(67.462,35.865) 72.187,35.865 72.695,36.373 80.442,36.373 v1(81.28,37.211)
  L6 w0.25: v1(53.569,29.235) 65.569,29.235 72.573,22.231 TP30.1@73.69,22.231 77.862,18.059 84.559,18.059 87.884,21.384 87.884,24.366 84.475,27.775 84.475,30.7 83.15,32.025 83.15,35.825 81.764,37.211 v1(81.28,37.211)
UART0-RTS: R90.1 S4.3 TP26.1 U7.6 U12.3 | length 83.2
  L1 w0.2: v1(53.543,27.94) 54.153,27.33 54.915,27.33 55.213,27.629 U7.6@55.213,27.878
  L1 w0.25: U12.3@64.446,39.553 v1(65.491,39.553) ; S4.3@80.119,39.243 R90.1@82.023,39.243
  L4 w0.15: v1(65.491,39.553) 66.106,38.938 68.453,38.938 68.763,39.248 75.23,39.248 75.413,39.065 81.094,39.065 v1(81.28,39.251)
  L6 w0.25: v1(53.543,27.94) 58.166,27.94 60.96,25.146 68.235,25.146 TP26.1@71.15,22.231 73.442,19.939 75.057,19.939 77.419,17.577 84.777,17.577 88.425,21.225 88.425,24.45 84.9,27.975 84.9,30.975 83.675,32.2 83.675,36.856 v1(81.28,39.251)
UART0-RXD: R91.1 S4.2 TP31.1 U7.17 U12.6 | length 73.4
  L1 w0.25: v1(56.467,33.096) 56.467,32.707 56.713,32.461 U7.17@56.713,31.609 ; v1(67.412,39.548) 67.417,39.553 U12.6@68.396,39.553 ; S4.2@80.119,40.513 R91.1@82.023,40.513
  L4 w0.15: v1(67.412,39.548) 74.701,39.548 75.675,40.521 v1(81.28,40.521)
  L6 w0.25: v1(56.467,33.096) 57.864,31.699 68.25,31.699 74.649,25.3 78.241,25.3 TP31.1@81.31,22.231 82.216,21.325 84.317,21.325 84.887,21.895 84.887,25.513 80.137,30.263 80.137,39.378 v1(81.28,40.521)
UART0-TXD: R92.1 S4.1 TP42.1 U7.1 U12.1 | length 80.6
  L1 w0.25: v1(53.089,30.683) 53.619,30.683 53.68,30.743 U7.1@54.348,30.743 ; U12.1@64.446,40.853 v1(65.491,40.853) ; S4.1@80.119,41.783 R92.1@82.023,41.783
  L4 w0.15: v1(65.491,40.853) 66.429,41.791 v1(81.288,41.791)
  L6 w0.25: v1(53.089,30.683) 53.733,31.328 53.733,31.857 54.127,32.251 54.127,33.172 54.994,34.039 57.909,34.039 59.766,32.182 69.037,32.182 75.438,25.781 79.299,25.781 82.849,22.231 TP42.1@83.85,22.231 84.243,22.624 84.243,25.482 79.7,30.025 79.7,40.204 v1(81.288,41.791)
UART1-CTS: J16.36 TP120.1 U9.6 | length 38.6
  L1 w0.15: U9.6@41.315,20.082 41.326,20.071 v1(41.326,19.431)
  L1 w0.25: J16.36@8.025,16.95 8.033,16.942 v1(10.7,16.942)
  L4 w0.15: v1(10.7,16.942) 16.237,22.479 38.278,22.479 v1(41.326,19.431)
  L6 w0.15: TP120.1@9.6,16.95 9.604,16.946 10.696,16.946 v1(10.7,16.942)
UART1-DSR: J16.40 TP124.1 U9.4 | length 37.5
  L1 w0.15: U9.4@39.949,19.216 39.953,19.212 39.953,18.267 v1(39.957,18.263)
  L1 w0.25: J16.40@8.025,11.87 v1(10.7,11.87)
  L4 w0.15: v1(10.7,11.87) 10.7,13.316 14.656,17.272 38.966,17.272 v1(39.957,18.263)
  L6 w0.15: TP124.1@9.6,11.87 v1(10.7,11.87)
UART1-DTR: J16.38 TP122.1 U9.18 | length 33.5
  L1 w0.15: v1(36.604,21.184) 36.706,21.082 U9.18@37.584,21.082
  L1 w0.25: J16.38@8.025,14.41 8.033,14.402 v1(10.7,14.402)
  L4 w0.15: v1(10.7,14.402) 17.126,20.828 36.249,20.828 v1(36.604,21.184)
  L6 w0.15: TP122.1@9.6,14.41 9.604,14.406 10.696,14.406 v1(10.7,14.402)
UART1-RTS: J16.34 TP118.1 U9.19 | length 34.4
  L1 w0.15: v1(36.604,20.422) 36.764,20.582 U9.19@37.584,20.582
  L1 w0.25: J16.34@8.025,19.49 8.033,19.482 v1(10.7,19.482)
  L6 w0.25: TP118.1@9.6,19.49 9.604,19.486 10.696,19.486 v1(10.7,19.482) 11.735,20.517 11.735,21.971 13.106,23.343 28.981,23.343 31.902,20.422 v1(36.604,20.422)
UART1-RXD: J16.32 TP116.1 U9.1 | length 38.7
  L1 w0.15: v1(38.433,18.212) 38.441,18.22 38.441,19.209 U9.1@38.449,19.216
  L1 w0.25: J16.32@8.025,22.03 8.033,22.022 v1(10.7,22.022)
  L6 w0.25: TP116.1@9.6,22.03 9.604,22.026 10.696,22.026 v1(10.7,22.022) 13.489,24.81 34.118,24.81 34.544,24.384 34.544,22.86 35.077,22.327 36.627,22.327 37.846,21.107 37.846,18.799 v1(38.433,18.212)
UART1-TXD: J16.30 TP113.1 U9.17 | length 33.7
  L1 w0.15: v1@36.601,23.089 36.601,21.969 36.989,21.582 U9.17@37.584,21.582
  L1 w0.25: J16.30@8.025,24.57 8.033,24.562 v1(10.7,24.562)
  L6 w0.25: TP113.1@9.6,24.57 9.604,24.566 10.696,24.566 v1(10.7,24.562) 10.846,24.562 11.556,25.272 35.307,25.272 36.322,24.257 36.322,23.371 v1(36.604,23.089)